# KiCad board Mainboard.kicad_pcb (continued)
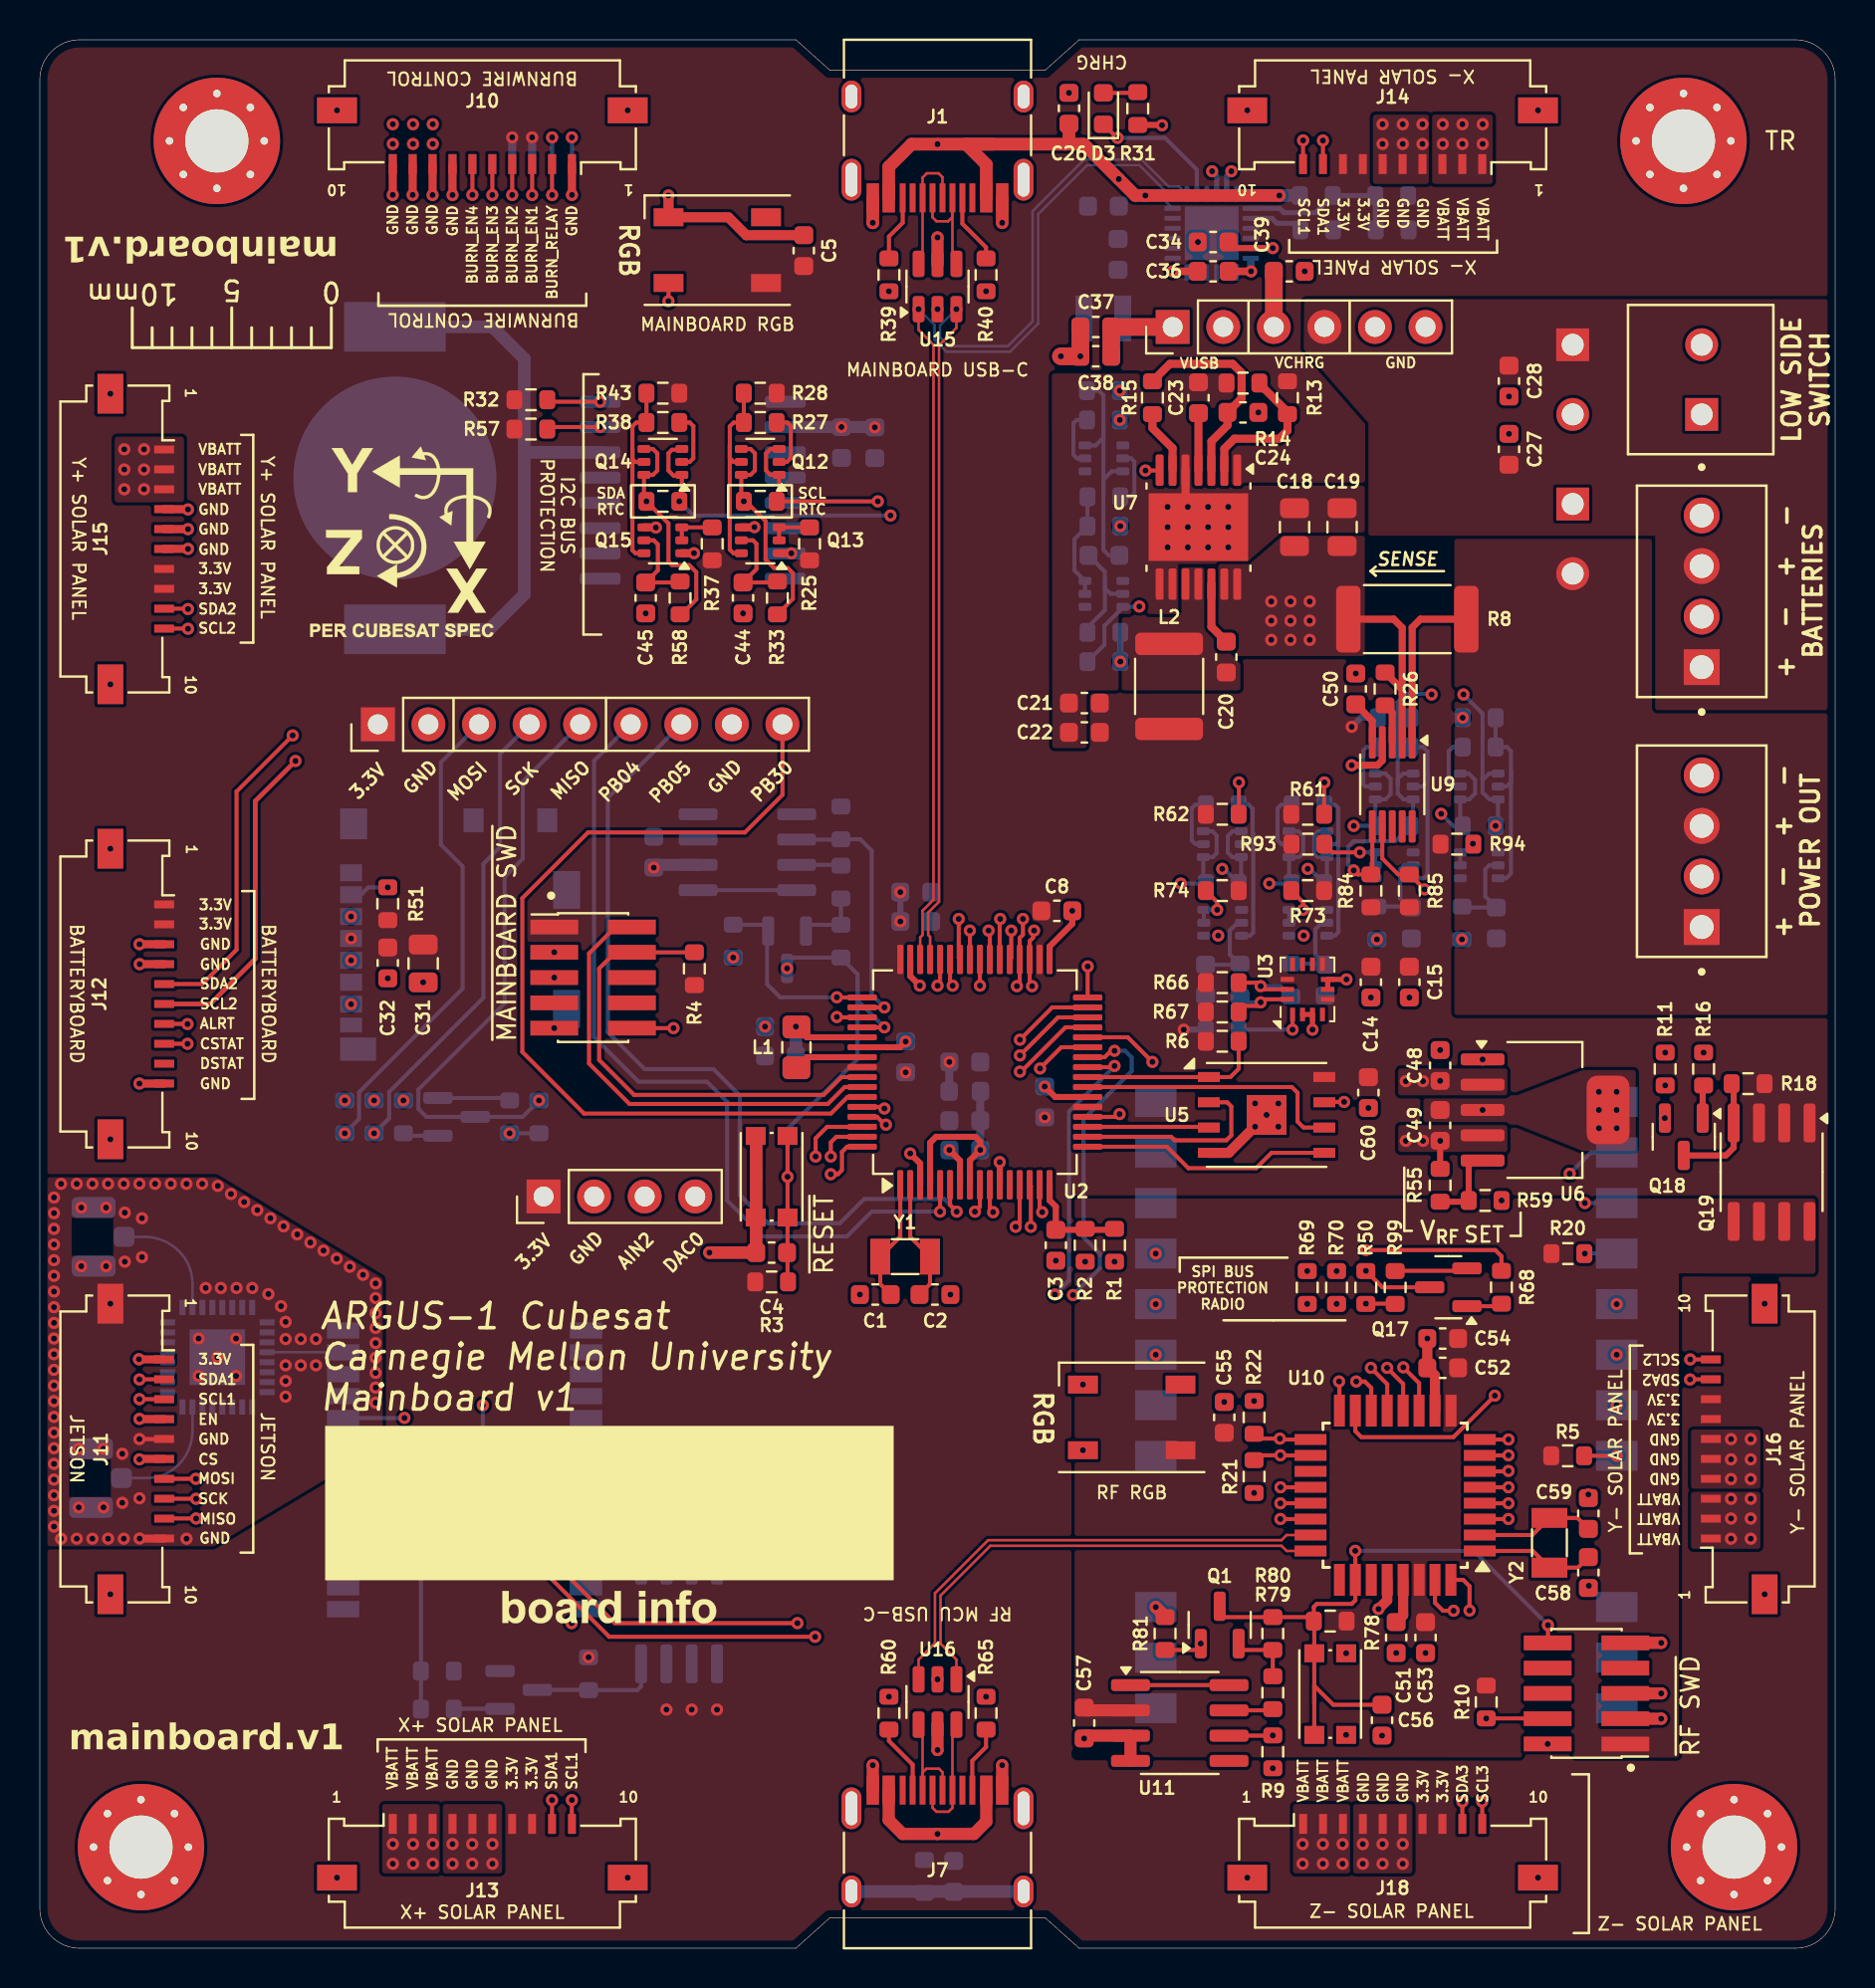
[diagram p0: board, top side]
## Library data of the parts (continued)
Q1 Q21 = -: Datasheet: https://www.infineon.com/dgdl/irlml2060pbf.pdf?fileId=5546d462533600a401535664b7fb25ee; ki_fp_filters: SOT?23*
Q2-Q4 Q6 Q8 Q10 Q12 Q14 = -: Datasheet: http://www.onsemi.com/pub_link/Collateral/MBT2222ADW1T1-D.PDF; Description: Dual NPN BJT - 2NPN; Flight: MBT2222ADW1T1G; Manufacturer_Name: ON Semiconductor; Manufacturer_Part_Number: MBT2222ADW1T1G; Proto: MBT2222ADW1T1G; ki_fp_filters: SOT?363*
Q5 Q7 Q9 Q11 Q13 Q15 = -: Datasheet: https://www.diodes.com/assets/Datasheets/BSS138DWQ.pdf; Description: Dual N-Channel MOSFET - 2NMOS; Manufacturer_Name: Diodes Incorporated
Q16 Q17 = -: Description: PNP BJT - PNP; ki_fp_filters: SOT?363*
Q18 Q22 = -: Datasheet: https://www.infineon.com/dgdl/irlml2060pbf.pdf?fileId=5546d462533600a401535664b7fb25ee; Description: 1.2A Id, 60V Vds, 480mOhm Rds, N-Channel HEXFET Power MOSFET, SOT-23; ki_fp_filters: SOT?23*
Q19 Q23 = -: Datasheet: https://www.onsemi.com/pdf/datasheet/nds8434-d.pdf; Description: P-Channel MOSFET; Flight: NDS8434; Manufacturer_Name: ON Semiconductor; Manufacturer_Part_Number: NDS8434; Proto: DMP2022LSS-13
R1-R22 R24-R43 R46 R47 R49 R51-R53 R55-R96 R99 = -: Description: Resistor, small symbol; ki_fp_filters: R_*
R23 R44 R45 R48 R50 R54 R97 R98 = -: Description: Resistor, small symbol; DNI: DNI; ki_fp_filters: R_*
SW1 SW2 = -: Datasheet: https://www.ckswitches.com/media/1479/kmr2.pdf; Description: Tactile Switch SPST-NO; Manufacturer_Name: C&K
U2 = -: Datasheet: https://ww1.microchip.com/downloads/en/DeviceDoc/SAM_D5x_E5x_Family_Data_Sheet_DS60001507G.pdf; Description: Microcontroller; Manufacturer_Name: Microchip Technology
U3 = -: Datasheet: https://ae-bst.resource.bosch.com/media/_tech/media/datasheets/BST-BMX160-DS000.pdf; Description: IMUs - Inertial Measurement Units 9-axis (9DOF) Absolute Orientation MEMS Sensor; Manufacturer_Name: Bosch Sensortec
U4 = -: Datasheet: http://datasheets.maximintegrated.com/en/ds/DS3231.pdf; Description: Extremely Accurate I2C-Integrated RTC/TCXO/Crystal SOIC-16; ki_fp_filters: SOIC*7.5x10.3mm*P1.27mm*
U5 = -: Manufacturer_Name: Everspin Technologies Inc.; Manufacturer_Part_Number: W25Q80DVSNIG; Proto: W25Q80DVSNIG
U6 U7 = -: Manufacturer_Name: Texas Instruments
U8 = -: Datasheet: http://www.ti.com/lit/ds/symlink/bq25883.pdf?HQS=TI-null-null-mousermode-df-pf-null-wwe&DCM=yes&ref_url=https%3A%2F%2Fwww.mouser.co.uk%2F; Description: Battery Charger - USB Power Delivery; Manufacturer_Name: Texas Instruments
U9 = -: Manufacturer_Name: Analog Devices Inc.; ki_fp_filters: RM_10
U10 = -: Datasheet: http://ww1.microchip.com/downloads/en/DeviceDoc/SAM_D21_DA1_Family_Data%20Sheet_DS40001882E.pdf; Description: SAM D21 Microchip SMART ARM-based Flash MCU, 48Mhz, 256K Flash, 32K SRAM, TQFP-32; ki_fp_filters: TQFP*7x7mm*P0.8mm*
U12 = -: Flight: RFM98PW; Manufacturer_Name: HopeRF; Manufacturer_Part_Number: RFM98PW; Proto: RFM98PW
U14 = -: Datasheet: https://www.minicircuits.com/pdfs/EP2W+.pdf; Description: RF Splitter DC-Pass; DNI: DNI; Manufacturer_Name: Mini Circuits
U15 U16 = -: Datasheet: https://www.st.com/resource/en/datasheet/usblc6-2.pdf; ki_fp_filters: SOT?23*
Y1 Y2 = -: Description: Two pin crystal, small symbol; Flight: ABS07-32.768KHZ-T; Manufacturer_Name: Abracon LLC; Manufacturer_Part_Number: SC-32S32.768kHz20PPM7pF; Proto: SC-32S32.768kHz20PPM7pF; ki_fp_filters: Crystal*

## Footprints (pads in the part's own frame, mm; a bottom-side part is the same pattern mirrored in y, then rotated)
BatteryHolder_LINX_BAT-HLD-012-SMT
  rect 2.5x5.1 smd: 1(-7.6,0) 1(7.6,0)
  round 10.2 smd: 2(0,0)
Bosch_LGA-14_3x2.5mm_P0.5mm
  rect 0.675x0.25 smd: 1(-1.262,0.75) 2(-1.262,0.25) 3(-1.262,-0.25) 4(-1.262,-0.75) 8(1.262,-0.75) 9(1.262,-0.25) 10(1.262,0.25) 11(1.262,0.75)
  rect 0.25x0.675 smd: 5(-0.5,-1.012) 6(0,-1.012) 7(0.5,-1.012) 12(0.5,1.012) 13(0,1.012) 14(-0.5,1.012)
C_0603_1608Metric
  rrect 0.9x0.95 smd: 1(-0.775,0) 2(0.775,0)
C_0805_2012Metric
  rrect 1x1.45 smd: 1(-0.95,0) 2(0.95,0)
Crystal_SMD_3215-2Pin_3.2x1.5mm
  rect 1x1.8 smd: 1(1.25,0) 2(-1.25,0)
DFN-8-1EP_6x5mm_P1.27mm_EP2x2mm
  rect 0.8x0.8 smd: (-0.5,0.5) (-0.5,-0.5) (0.5,0.5) (0.5,-0.5)
  rect 1.1x0.5 smd: 1(-2.9,1.905) 2(-2.9,0.635) 3(-2.9,-0.635) 4(-2.9,-1.905) 5(2.9,-1.905) 6(2.9,-0.635) 7(2.9,0.635) 8(2.9,1.905)
  rect 2x2 smd: 9(0,0)
EP2W+
  rect 0.762x0.305 smd: 1(-2.5,1.75) 2(-2.5,1.25) 3(-2.5,0.75) 4(-2.5,0.25) 5(-2.5,-0.25) 6(-2.5,-0.75) 7(-2.5,-1.25) 8(-2.5,-1.75) 17(2.5,-1.75) 18(2.5,-1.25) 19(2.5,-0.75) 20(2.5,-0.25) 21(2.5,0.25) 22(2.5,0.75) 23(2.5,1.25) 24(2.5,1.75)
  rect 0.305x0.762 smd: 9(-1.75,-2.5) 10(-1.25,-2.5) 11(-0.75,-2.5) 12(-0.25,-2.5) 13(0.25,-2.5) 14(0.75,-2.5) 15(1.25,-2.5) 16(1.75,-2.5) 25(1.75,2.5) 26(1.25,2.5) 27(0.75,2.5) 28(0.25,2.5) 29(-0.25,2.5) 30(-0.75,2.5) 31(-1.25,2.5) 32(-1.75,2.5)
  rect 2.794x2.794 smd: EP(0,0)
HTSSOP-14-1EP_4.4x5mm_P0.65mm_EP3.4x5mm_Mask3x3.1mm
  rrect 1.21x1.25 smd: (-0.75,0.775) (-0.75,-0.775) (0.75,0.775) (0.75,-0.775)
  rect 3x3.1 smd: (0,0)
  rrect 1.575x0.4 smd: 1(-2.862,1.95) 2(-2.862,1.3) 3(-2.862,0.65) 4(-2.862,0) 5(-2.862,-0.65) 6(-2.862,-1.3) 7(-2.862,-1.95) 8(2.862,-1.95) 9(2.862,-1.3) 10(2.862,-0.65) 11(2.862,0) 12(2.862,0.65) 13(2.862,1.3) 14(2.862,1.95)
  rect 3.4x5 smd: 15(0,0)
L_0603_1608Metric
  rrect 0.875x0.95 smd: 1(-0.787,0) 2(0.787,0)
L_0805_2012Metric_Pad1.15x1.40mm_HandSolder
  rrect 1.15x1.4 smd: 1(-1.025,0) 2(1.025,0)
L_1812_4532Metric
  rrect 1.125x3.4 smd: 1(-2.138,0) 2(2.138,0)
L_Wuerth_MAPI-2510
  rect 0.85x2.3 smd: 1(-0.975,0) 2(0.975,0)
LED_0603_1608Metric
  rrect 0.875x0.95 smd: 1(-0.787,0) 2(0.787,0)
LED_WS2812B_PLCC4_5.0x5.0mm_P3.2mm
  rect 1.5x0.9 smd: 1(-2.45,1.65) 2(-2.45,-1.65) 3(2.45,-1.65) 4(2.45,1.65)
microSD_HC_Molex_104031-0811
  rect 0.85x1.1 smd: 1(-3.105,5.45) 2(-2.005,5.45) 3(-0.905,5.45) 4(0.195,5.45) 5(1.295,5.45) 6(2.395,5.45) 7(3.495,5.45)
  rect 0.75x1.1 smd: 8(4.545,5.45)
  rect 1.2x1 smd: 9(-5.74,-0.7) 10(-5.74,-4.4)
  rect 1.55x1.35 smd: 11(-5.565,5.325)
  rect 1.9x1.35 smd: 11(-2.24,-5.375) 11(3.73,-5.375)
  rect 1.17x1.8 smd: 11(5.755,5.1)
Molex_200528-0100_1x10-1MP_P1.00mm_Horizontal
  rect 0.4x1 smd: 1(-4.5,0.91) 2(-3.5,0.91) 3(-2.5,0.91) 4(-1.5,0.91) 5(-0.5,0.91) 6(0.5,0.91) 7(1.5,0.91) 8(2.5,0.91) 9(3.5,0.91) 10(4.5,0.91)
  rect 2x1.3 smd: MP(-7.3,-1.79) MP(7.3,-1.79)
MountingHole2
  round 0.762 hole 0.381: 1(-2.381,0) 1(-1.684,1.684) 1(-1.684,-1.684) 1(0,2.381) 1(0,-2.381) 1(1.684,1.684) 1(1.684,-1.684) 1(2.381,0)
  round 6.35 hole 3.175: 1(0,0)
MSOP-10_3x3mm_P0.5mm
  rrect 1.625x0.35 smd: 1(-2.112,1) 2(-2.112,0.5) 3(-2.112,0) 4(-2.112,-0.5) 5(-2.112,-1) 6(2.112,-1) 7(2.112,-0.5) 8(2.112,0) 9(2.112,0.5) 10(2.112,1)
PHOENIX_1985807
  rect 1.65x1.65 hole 1.1: 1(2,3.6)
  round 1.65 hole 1.1: 2(5.5,3.6)
PinHeader_1x04_P2.54mm_Vertical
  rect 1.7x1.7 hole 1: 1(0,0)
  oval 1.7x1.7 hole 1: 2(0,-2.54) 3(0,-5.08) 4(0,-7.62)
PinHeader_1x06_P2.54mm_Vertical
  rect 1.7x1.7 hole 1: 1(0,0)
  oval 1.7x1.7 hole 1: 2(0,-2.54) 3(0,-5.08) 4(0,-7.62) 5(0,-10.16) 6(0,-12.7)
PinHeader_1x09_P2.54mm_Vertical
  rect 1.7x1.7 hole 1: 1(0,0)
  oval 1.7x1.7 hole 1: 2(0,-2.54) 3(0,-5.08) 4(0,-7.62) 5(0,-10.16) 6(0,-12.7) 7(0,-15.24) 8(0,-17.78) 9(0,-20.32)
PinHeader_2x05_P1.27mm_Vertical_SMD
  rect 2.4x0.74 smd: 1(-1.95,2.54) 2(1.95,2.54) 3(-1.95,1.27) 4(1.95,1.27) 5(-1.95,0) 6(1.95,0) 7(-1.95,-1.27) 8(1.95,-1.27) 9(-1.95,-2.54) 10(1.95,-2.54)
R_0603_1608Metric
  rrect 0.8x0.95 smd: 1(-0.825,0) 2(0.825,0)
R_2512_6332Metric
  rrect 1.225x3.35 smd: 1(-2.962,0) 2(2.962,0)
S1216_24PIN_PACKAGE
  rect 1.626x0.813 smd: 1(5.85,-7.62) 2(5.85,-6.52) 3(5.85,-5.42) 4(5.85,-4.32) 5(5.85,-3.22) 6(5.85,-2.12) 7(5.85,-1.02) 8(5.85,1.98) 9(5.85,3.08) 10(5.85,4.18) 11(5.85,5.28) 12(5.85,6.38) 13(-6.35,6.38) 14(-6.35,5.28) 15(-6.35,4.18) 16(-6.35,3.08) 17(-6.35,1.98) 18(-6.35,-1.02) 19(-6.35,-2.12) 20(-6.35,-3.22) 21(-6.35,-4.32) 22(-6.35,-5.42) 23(-6.35,-6.52) 24(-6.35,-7.62)
SOIC-8_3.9x4.9mm_P1.27mm
  rrect 1.95x0.6 smd: 1(-2.475,1.905) 2(-2.475,0.635) 3(-2.475,-0.635) 4(-2.475,-1.905) 5(2.475,-1.905) 6(2.475,-0.635) 7(2.475,0.635) 8(2.475,1.905)
SOIC-16W_7.5x10.3mm_P1.27mm
  rrect 2.05x0.6 smd: 1(-4.65,4.445) 2(-4.65,3.175) 3(-4.65,1.905) 4(-4.65,0.635) 5(-4.65,-0.635) 6(-4.65,-1.905) 7(-4.65,-3.175) 8(-4.65,-4.445) 9(4.65,-4.445) 10(4.65,-3.175) 11(4.65,-1.905) 12(4.65,-0.635) 13(4.65,0.635) 14(4.65,1.905) 15(4.65,3.175) 16(4.65,4.445)
SOT-23
  rrect 1.475x0.6 smd: 1(-0.938,0.95) 2(-0.938,-0.95) 3(0.938,0)
SOT-23-6
  rrect 1.325x0.6 smd: 1(-1.137,0.95) 2(-1.137,0) 3(-1.137,-0.95) 4(1.137,-0.95) 5(1.137,0) 6(1.137,0.95)
SOT-223-6
  rrect 2.2x0.6 smd: 1(-3.138,2.54) 2(-3.138,1.27) 3(-3.138,0) 4(-3.138,-1.27) 5(-3.138,-2.54)
  rrect 2.15x3.45 smd: 6(3.163,0)
SOT-363_SC-70-6
  rrect 0.65x0.4 smd: 1(-0.95,0.65) 2(-0.95,0) 3(-0.95,-0.65) 4(0.95,-0.65) 5(0.95,0) 6(0.95,0.65)
SW_Push_1P1T_NO_CK_KMR2
  rect 0.9x1 smd: 1(-2.05,0.8) 1(2.05,0.8) 2(-2.05,-0.8) 2(2.05,-0.8)
TE_282834-4
  rect 1.8x1.8 hole 1.2: 1(-3.81,0)
  round 1.8 hole 1.2: 2(-1.27,0) 3(1.27,0) 4(3.81,0)
Texas_RGE0024H_VQFN-24-1EP_4x4mm_P0.5mm_EP2.7x2.7mm
  rrect 1.09x1.09 smd: (-0.675,-0.675) (-0.675,0.675) (0.675,-0.675) (0.675,0.675)
  rrect 0.825x0.25 smd: 1(-1.962,1.25) 2(-1.962,0.75) 3(-1.962,0.25) 4(-1.962,-0.25) 5(-1.962,-0.75) 6(-1.962,-1.25) 13(1.962,-1.25) 14(1.962,-0.75) 15(1.962,-0.25) 16(1.962,0.25) 17(1.962,0.75) 18(1.962,1.25)
  rrect 0.25x0.825 smd: 7(-1.25,-1.962) 8(-0.75,-1.962) 9(-0.25,-1.962) 10(0.25,-1.962) 11(0.75,-1.962) 12(1.25,-1.962) 19(1.25,1.962) 20(0.75,1.962) 21(0.25,1.962) 22(-0.25,1.962) 23(-0.75,1.962) 24(-1.25,1.962)
  rect 2.7x2.7 smd: 25(0,0)
TQFP-32_7x7mm_P0.8mm
  rect 1.6x0.55 smd: 1(-4.25,2.8) 2(-4.25,2) 3(-4.25,1.2) 4(-4.25,0.4) 5(-4.25,-0.4) 6(-4.25,-1.2) 7(-4.25,-2) 8(-4.25,-2.8) 17(4.25,-2.8) 18(4.25,-2) 19(4.25,-1.2) 20(4.25,-0.4) 21(4.25,0.4) 22(4.25,1.2) 23(4.25,2) 24(4.25,2.8)
  rect 0.55x1.6 smd: 9(-2.8,-4.25) 10(-2,-4.25) 11(-1.2,-4.25) 12(-0.4,-4.25) 13(0.4,-4.25) 14(1.2,-4.25) 15(2,-4.25) 16(2.8,-4.25) 25(2.8,4.25) 26(2,4.25) 27(1.2,4.25) 28(0.4,4.25) 29(-0.4,4.25) 30(-1.2,4.25) 31(-2,4.25) 32(-2.8,4.25)
TQFP-64_10x10mm_P0.5mm
  rrect 1.475x0.3 smd: 1(-5.662,3.75) 2(-5.662,3.25) 3(-5.662,2.75) 4(-5.662,2.25) 5(-5.662,1.75) 6(-5.662,1.25) 7(-5.662,0.75) 8(-5.662,0.25) 9(-5.662,-0.25) 10(-5.662,-0.75) 11(-5.662,-1.25) 12(-5.662,-1.75) 13(-5.662,-2.25) 14(-5.662,-2.75) 15(-5.662,-3.25) 16(-5.662,-3.75) 33(5.662,-3.75) 34(5.662,-3.25) 35(5.662,-2.75) 36(5.662,-2.25) 37(5.662,-1.75) 38(5.662,-1.25) 39(5.662,-0.75) 40(5.662,-0.25) 41(5.662,0.25) 42(5.662,0.75) 43(5.662,1.25) 44(5.662,1.75) 45(5.662,2.25) 46(5.662,2.75) 47(5.662,3.25) 48(5.662,3.75)
  rrect 0.3x1.475 smd: 17(-3.75,-5.662) 18(-3.25,-5.662) 19(-2.75,-5.662) 20(-2.25,-5.662) 21(-1.75,-5.662) 22(-1.25,-5.662) 23(-0.75,-5.662) 24(-0.25,-5.662) 25(0.25,-5.662) 26(0.75,-5.662) 27(1.25,-5.662) 28(1.75,-5.662) 29(2.25,-5.662) 30(2.75,-5.662) 31(3.25,-5.662) 32(3.75,-5.662) 49(3.75,5.662) 50(3.25,5.662) 51(2.75,5.662) 52(2.25,5.662) 53(1.75,5.662) 54(1.25,5.662) 55(0.75,5.662) 56(0.25,5.662) 57(-0.25,5.662) 58(-0.75,5.662) 59(-1.25,5.662) 60(-1.75,5.662) 61(-2.25,5.662) 62(-2.75,5.662) 63(-3.25,5.662) 64(-3.75,5.662)
U.FL_Hirose_U.FL-R-SMT-1_Vertical
  rrect 1.05x1 smd: 1(-1.05,0)
  rrect 2.2x1.05 smd: 2(0.475,-1.475) 2(0.475,1.475)
USB_C_Receptacle_HRO_TYPE-C-31-M-12
  rect 0.6x1.45 smd: A1(-3.25,4.045) A4(-2.45,4.045) A9(2.45,4.045) A12(3.25,4.045) B1(3.25,4.045) B4(2.45,4.045) B9(-2.45,4.045) B12(-3.25,4.045)
  rect 0.3x1.45 smd: A5(-1.25,4.045) A6(-0.25,4.045) A7(0.25,4.045) A8(1.25,4.045) B5(1.75,4.045) B6(0.75,4.045) B7(-0.75,4.045) B8(-1.75,4.045)
  oval 1x2.1 hole 0.6x1.7: S1(-4.32,3.13) S1(4.32,3.13)
  oval 1x1.6 hole 0.6x1.2: S1(-4.32,-1.05) S1(4.32,-1.05)
XCVR_E22-900M30S
  rect 2.08x1.51 smd: 1(11.575,-13.82) 2(11.575,-11.28) 3(11.575,-8.74) 4(11.575,-1.14) 5(11.575,1.4) 6(11.575,3.94) 7(11.575,6.48) 8(11.575,9.02) 9(11.575,11.56) 10(11.575,14.1) 11(11.575,16.64) 12(-11.575,16.64) 13(-11.575,14.1) 14(-11.575,11.56) 15(-11.575,9.02) 16(-11.575,6.48) 17(-11.575,3.94) 18(-11.575,1.4) 19(-11.575,-1.14) 20(-11.575,-8.74) 21(-11.575,-11.28) 22(-11.575,-13.82)

## Nets
3.3V: C5.1 C6.1 C7.1 C8.1 C9.1 C10.1 C13.1 C14.1 C15.2 C16.1 C17.1 C21.2 C22.2 C29.1 C31.1 C32.1 C60.1 D1.1 FB1.1 J8.4 J9.1 J11.1 J12.1 J12.2 J13.7 J13.8 J14.7 J14.8 J15.7 J15.8 J16.7 J16.8 J17.7 J17.8 J18.7 J18.8 J19.1 J20.1 L2.2 Q19.1 Q19.2 Q19.3 Q23.1 Q23.2 Q23.3 R3.1 R4.1 R6.2 R13.2 R18.1 R19.1 R25.1 R28.1 R32.1 R37.1 R41.1 R43.1 R51.2 R57.1 R61.1 R62.1 R66.1 R67.1 R73.1 R74.1 R82.1 R83.1 R84.1 R85.1 R93.1 R94.1 U1.2 U2.21 U2.34 U2.48 U2.56 U3.5 U3.8 U3.12 U4.2 U5.8 U7.1
3.3VA: C46.1 C47.1 FB1.2 U2.4 U2.8
/Power/3V3_EN: Q2.6 R29.2 U7.7
GND: BT1.2 C1.2 C2.2 C3.2 C4.1 C5.2 C6.2 C7.2 C8.2 C9.2 C10.2 C11.1 C12.2 C13.2 C14.2 C15.1 C16.2 C17.2 C18.2 C19.2 C21.1 C22.1 C23.1 C24.2 C29.2 C30.1 C31.2 C32.2 C40.2 C41.2 C42.2 C43.2 C44.2 C45.2 C46.2 C47.2 C48.1 C49.1 C50.1 C51.2 C52.2 C53.2 C54.2 C55.2 C56.1 C57.2 C58.2 C59.2 C60.2 D1.3 D2.3 H1.1 H2.1 H3.1 H4.1 J3.2 J3.4 J4.2 J7.A1 J7.A12 J7.B1 J7.B12 J8.6 J8.11 J9.3 J9.5 J9.9 J10.1 J10.7 J10.8 J10.9 J10.10 J10.MP J11.5 J11.10 J11.MP J12.3 J12.4 J12.10 J12.MP J13.4 J13.5 J13.6 J13.MP J14.4 J14.5 J14.6 J14.MP J15.4 J15.5 J15.6 J15.MP J16.4 J16.5 J16.6 J16.MP J17.4 J17.5 J17.6 J17.MP J18.4 J18.5 J18.6 J18.MP J19.2 J19.8 J20.2 J21.5 J22.2 J23.2 J24.3 J24.5 J24.9 Q2.1 Q2.4 Q3.1 Q3.4 Q5.1 Q5.4 Q7.1 Q7.4 Q9.1 Q9.4 Q11.1 Q11.4 Q13.1 Q13.4 Q15.1 Q15.4 Q18.2 Q22.2 R2.1 R7.2 R9.2 R11.2 R12.2 R14.1 R21.2 R22.2 R56.1 R59.2 R60.1 R65.1 R81.2 R90.2 SW1.2 SW2.2 U1.3 U1.4 U2.7 U2.22 U2.33 U2.47 U2.54 U3.2 U3.3 U3.6 U3.7 U4.5 U4.6 U4.7 U4.8 U4.9 U4.10 U4.11 U4.12 U4.13 U5.4 U5.9 U6.3 U6.6 U7.5 U7.8 U7.9 U7.15 U9.4 U10.10 U10.28 U11.3 U11.4 U12.1 U12.2 U12.3 U12.4 U12.5 U12.11 U12.12 U12.20 U12.22 U13.10 U13.12 U13.13 U13.24 U14.1 U14.2 U14.3 U14.5 U14.6 U14.7 U14.8 U14.9 U14.10 U14.11 U14.12 U14.13 U14.14 U14.16 U14.17 U14.18 U14.19 U14.20 U14.21 U14.22 U14.23 U14.24 U14.25 U14.27 U14.28 U14.29 U14.30 U14.31 U14.32 U14.EP U16.2
GNDREF: C26.2 C27.2 C28.2 C33.1 C34.2 C35.1 C37.1 C38.1 C39.1 J1.A1 J1.A12 J1.B1 J1.B12 J1.S1 J2.2 J2.4 J4.1 J21.6 R35.1 R36.1 R39.1 R40.1 R46.1 U8.19 U8.20 U8.25 U15.2
VBATT: J3.1 J3.3 J6.2 J13.1 J13.2 J13.3 J14.1 J14.2 J14.3 J15.1 J15.2 J15.3 J16.1 J16.2 J16.3 J17.1 J17.2 J17.3 J18.1 J18.2 J18.3 J21.2 R1.1 R8.2 U9.1
VBUS1: C26.1 C33.2 J1.A4 J1.A9 J1.B4 J1.B9 R34.1 U8.23 U15.5
VBUS2: J7.A4 J7.A9 J7.B4 J7.B9 U16.5
VBUS_RESET: R52.2 U2.32
/Avionics/NEOPIXEL: D1.4 U2.40
/Avionics/XTAL1: C1.1 U2.1 Y1.1
/Avionics/XTAL2: C2.1 U2.2 Y1.2
/Power/REGN: C34.1 R31.2 U8.11
/RF and GPS/RF_IN: U13.11 U14.4
/RF and GPS/SAMD21_NEOPIXEL: D2.4 U10.20
AIN2: J20.3 U2.11
AIN3: U2.12
BURN_EN1: J10.3 U2.38
BURN_EN2: J10.4 U2.39
BURN_EN3: J10.5 U2.41
BURN_EN4: J10.6 U2.42
BURN_RELAY_A: J10.2 U2.37
CSTAT: J12.8 U2.61
DAC0: J20.4 U2.3
DBus1+: J1.A6 J1.B6 U15.6
DBus1-: J1.A7 J1.B7 U15.4
DBus2+: J7.A6 J7.B6 U16.6
DBus2-: J7.A7 J7.B7 U16.4
DSTAT: J12.9
FLASH_CS: R6.1 U2.24 U5.1
FLASH_IO2: U2.19 U5.3
FLASH_IO3: U2.20 U5.7
FLASH_MISO: U2.18 U5.2
FLASH_MOSI: U2.17 U5.5
FLASH_SCK: U2.23 U5.6
FUEL_ALRT: J12.7 U2.60
GPS_EN: R12.1 R17.1 U2.62
GPS_RX: R88.1 U2.64
GPS_TX: R91.1 U2.63
GPS_VDD: Q23.5 Q23.6 Q23.7 Q23.8 R24.2 U13.22 U13.23
IMU_SCL: Q4.4 Q4.6 R66.2 R75.1 R97.1 U3.13
IMU_SDA: Q6.4 Q6.6 R67.2 R76.1 R98.1 U3.14
JETSON_CS: J11.6 U2.10
JETSON_EN: J11.4 U2.9
JETSON_MISO: J11.9 U2.15
JETSON_MOSI: J11.7 U2.13
JETSON_SCK: J11.8 U2.14
MISO: J19.5 Q16.3 Q17.3 R50.2 R54.2 U2.31
MOSI: J19.3 R64.2 R70.1 U2.29
PB04: J19.6 U2.5
PB05: J19.7 U2.6
PB30: J19.9 U2.59
PWR_SCL: Q8.4 Q8.6 R23.1 R84.2 R95.1 U8.5 U9.6
PWR_SDA: Q10.4 Q10.6 R44.1 R85.2 R96.1 U8.4 U9.7
RF_3.3V: C52.1 C53.1 C54.1 C55.1 C57.1 D2.1 J24.1 Q19.5 Q19.6 Q19.7 Q19.8 R5.1 R10.1 R20.1 R78.1 U10.9 U10.30 U11.2
RF_BUSY: U10.4 U12.14
RF_CS: R5.2 U10.5 U12.19
RF_IO1: U10.15 U12.13
RF_IO2: U10.16 U12.8
RF_MISO: U10.6 U12.16
RF_MOSI: U10.7 U12.17
RF_RST: R20.2 U10.3 U12.15
RF_RXEN: R21.1 U10.18 U12.6
RF_SCK: U10.8 U12.18
RF_TXEN: R22.1 U10.17 U12.7
RF_VDD: C49.2 R55.1 U6.4 U12.9 U12.10
RTC_SCL: Q12.4 Q12.6 R32.2 R33.1 R45.1 U4.16
RTC_SDA: Q14.4 Q14.6 R48.1 R57.2 R58.1 U4.15
SAMD21_SWC: J24.4 R10.2 U10.31
SAMD21_SWD: J24.2 U10.32
SAMD21_WDT_EN: Q1.1 R81.1 U10.21
SAMD21_WDT_WDI: R9.1 U10.22 U11.6
SCK: J19.4 R63.2 R69.2 U2.30
SCL1: J11.3 J13.10 J14.10 Q4.1 Q4.3 Q8.1 Q8.3 R23.2 R97.2 U2.26
SCL2: J12.6 J15.10 J16.10 U2.44
SCL3: J17.10 J18.10 Q12.1 Q12.3 R45.2 U2.36
SD_CS: J8.2 R51.1 R92.2 U2.51
SD_MISO: J8.7 R53.2 R54.1
SD_MOSI: J8.3 R64.1
SD_SCK: J8.5 R63.1
SDA1: J11.2 J13.9 J14.9 Q6.1 Q6.3 Q10.1 Q10.3 R44.2 R98.2 U2.25
SDA2: J12.5 J15.9 J16.9 U2.43
SDA3: J17.9 J18.9 Q14.1 Q14.3 R48.2 U2.35
STAT: D3.1 U8.2
SWCLK: J9.4 R4.2 U2.57
SWDIO: J9.2 U2.58
TS: R34.2 R35.2 R46.2 U8.7
UHF_CS: R68.2 U2.27 U10.11
UHF_EN: R11.1 R16.1 U2.28 U6.1
UHF_MISO: R50.1 R99.2 U10.12
UHF_MOSI: R70.2 U10.13
UHF_SCK: R69.1 U10.14
USB_D1+: U2.46 U8.24 U15.1
USB_D1-: U2.45 U8.1 U15.3
USB_D2+: U10.24 U16.1
USB_D2-: U10.23 U16.3
VCHRG: C27.1 C28.1 J2.1 J2.3 J5.1 J21.4
VSYS: C18.1 C19.1 C48.2 R8.1 R26.1 R29.1 R30.1 R47.1 R49.1 U6.2 U7.13 U7.14 U9.2
WDT_EN: Q21.1 R90.1 U2.49
WDT_WDI: R7.1 U1.6 U2.50
~{RESET}: C4.2 J9.10 Q21.3 R3.2 R89.1 SW1.1 U2.52
~{SAMD21_RST}: C56.2 J24.10 Q1.3 R78.2 R80.1 SW2.1 U10.26
Net-(BT1-+): BT1.1 U4.14
Net-(D3-A): D3.2 R31.1
Net-(J1-CC1): J1.A5 R40.2
Net-(J1-CC2): J1.B5 R39.2
Net-(J5-Pin_2): J5.2 J6.1
Net-(J7-CC1): J7.A5 R60.2
Net-(J7-CC2): J7.B5 R65.2
Net-(J7-SHIELD): C30.2 J7.S1 R56.2
Net-(J21-Pin_1): C37.2 C38.2 J21.1 U8.15 U8.16
Net-(J21-Pin_3): C39.2 J21.3 U8.13 U8.14
Net-(J22-In): J22.1 U14.15
Net-(J23-In): J23.1 U14.26
Net-(Q1-S): Q1.2 R79.1 R80.2
Net-(Q2A-B1): Q2.2 Q2.3 R30.2 R77.2
Net-(Q2B-B2): C25.2 Q2.5 R47.2
Net-(Q3A-B1): Q3.2 R77.1
Net-(Q3A-C1): C25.1 Q3.3 Q3.6 R49.2
Net-(Q3B-B2): Q3.5 R52.1
Net-(Q4A-B1): Q4.2 R71.1
Net-(Q4B-B2): Q4.5 Q5.6 R61.2 R71.2
Net-(Q5A-G2): Q5.2 Q5.3 R73.2
Net-(Q5B-G1): C40.1 Q5.5 R75.2
Net-(Q6A-B1): Q6.2 R72.1
Net-(Q6B-B2): Q6.5 Q7.6 R62.2 R72.2
Net-(Q7A-G2): Q7.2 Q7.3 R74.2
Net-(Q7B-G1): C41.1 Q7.5 R76.2
Net-(Q8A-B1): Q8.2 R86.1
Net-(Q8B-B2): Q8.5 Q9.6 R82.2 R86.2
Net-(Q9A-G2): Q9.2 Q9.3 R93.2
Net-(Q9B-G1): C42.1 Q9.5 R95.2
Net-(Q10A-B1): Q10.2 R87.1
Net-(Q10B-B2): Q10.5 Q11.6 R83.2 R87.2
Net-(Q11A-G2): Q11.2 Q11.3 R94.2
Net-(Q11B-G1): C43.1 Q11.5 R96.2
Net-(Q12A-B1): Q12.2 R27.1
Net-(Q12B-B2): Q12.5 Q13.6 R27.2 R28.2
Net-(Q13A-G2): Q13.2 Q13.3 R25.2
Net-(Q13B-G1): C44.1 Q13.5 R33.2
Net-(Q14A-B1): Q14.2 R38.1
Net-(Q14B-B2): Q14.5 Q15.6 R38.2 R43.2
Net-(Q15A-G2): Q15.2 Q15.3 R37.2
Net-(Q15B-G1): C45.1 Q15.5 R58.2
Net-(Q16-B): Q16.1 R92.1
Net-(Q16-E): Q16.2 R53.1
Net-(Q17-B): Q17.1 R68.1
Net-(Q17-E): Q17.2 R99.1
Net-(Q18-D): Q18.3 Q19.4 R18.2
Net-(Q18-G): Q18.1 R16.2
Net-(Q21-S): Q21.2 R42.1 R89.2
Net-(Q22-D): Q22.3 Q23.4 R19.2
Net-(Q22-G): Q22.1 R17.2
Net-(U1-~{MR}): U1.1 U1.8
Net-(U1-~{RESET}): R42.2 U1.7
Net-(U2-PA07): C3.1 R1.2 R2.2 U2.16
Net-(U2-VDDCORE): C11.2 C12.1 L1.1 U2.53
Net-(U2-VSW): L1.2 U2.55
Net-(U3-SDO): R41.2 U3.1
Net-(U6-SENSE/ADJ): R55.2 R59.1 U6.5
Net-(U7-PG): R15.2 U7.6
Net-(U7-SS): C23.2 U7.4
Net-(U7-SW1): C20.1 L2.1 U7.10 U7.11
Net-(U7-VBST): C20.2 U7.12
Net-(U7-VFB): R13.1 R14.2 U7.2
Net-(U7-VREG5): C24.1 R15.1 U7.3
Net-(U8-BTST): C36.2 U8.12
Net-(U8-ILIM): R36.2 U8.8
Net-(U8-PMID_1): C35.2 L3.1 U8.21 U8.22
Net-(U8-SW_1): C36.1 L3.2 U8.17 U8.18
Net-(U9-ON): R26.2 U9.3
Net-(U9-TIMER): C50.2 U9.5
Net-(U10-PA00): C58.1 U10.1 Y2.1
Net-(U10-PA01): C59.1 U10.2 Y2.2
Net-(U10-VDDCORE): C51.1 U10.29
Net-(U11-~{MR}): U11.1 U11.8
Net-(U11-~{RESET}): R79.2 U11.7
Net-(U13-RSTN): R24.1 U13.8
Net-(U13-RXD): R91.2 U13.21
Net-(U13-TXD): R88.2 U13.20

Pads without a net: D1 2; D2 2; J1 A8 B8; J7 A8 B8; J8 1 8 9 10; J9 6 7 8; J24 6 7 8; U1 5; U3 4 9 10 11; U4 1 3 4; U8 3 6 9 10; U9 8 9 10; U10 19 25 27; U11 5; U12 21; U13 1 2 3 4 5 6 7 9 14 15 16 17 18 19

## Via types
v1: diameter 0.61, hole 0.305, Top to Bottom, 517 vias

## Routing (per net, layer and track width the routed paths; a pad name or vN(x,y) marks a point on that pad's centre or on a via; arc(x,y) is an arc through that point)
3.3V: length 31.3
  Top w0.305: v1(43.22,51.59) 43.21,51.58
  Top w0.406: v1(4.98,29.59) 4.99,29.58 6.23,29.58
  Route2 w0.635: v1(4.98,29.59) 5.26,29.59 6.99,27.86 10.44,27.86 15.95,22.35 v1(17.27,22.35)
  Bottom w0.203: v1(23.72,90.98) 23.73,90.98
  Bottom w0.305: R41.1 v1(57.45,46.15) ; v1(65.89,61.37) 66.34,61.82 R82.1 ; v1(43.22,51.59) 43.22,53.04
  Bottom w0.406: 23.73,90.98 J17.7 ; v1(24.73,90.98) J17.8 ; 45.67,44.51 FB1.1
  Bottom w0.61: U4.2 v1(40.26,76.43) 41.92,76.43 ; 30.98,54.43 U1.2
  vias: v1(15.63,50.73) v1(27.56,14.62) v1(30.84,54.29) v1(31.47,11.99) v1(32.74,11.99) v1(34.01,11.99) v1(41.94,76.42) v1(43.22,53.06) v1(43.48,44.01) v1(45.68,44.53) v1(50.47,41.74) v1(71.46,61.82)
3.3VA: length 10.2
  Top w0.305: U2.8 46.71,39.59 v1(47.23,40.11) 47.23,40.53 46.99,40.77 45.01,40.77 44.71,40.47 U2.4
  Bottom w0.406: v1(47.23,40.11) C46.1 47.23,43.04
/Power/3V3_EN: length 11.9
  Top w0.203: v1(55.53,74.24) 56.22,74.24
  Route2 w0.203: v1(55.53,74.24) 55.53,67.72 v1(55.22,67.41)
  Bottom w0.203: R29.2 53.47,65.49 53.47,66.44 54.39,67.36 ; v1(55.22,67.41) 55.2,67.4 Q2.6
GND: length 75.3
  Top w0.203: 20.73,88.09 v1(20.73,88.09) ; 35.85,71.39 35.86,71.4 v1(35.89,71.4) ; v1(30.94,71.38) 30.93,71.39 ; v1(5,25.58) 6.24,25.58 ; 37.74,70.09 v1(37.74,70.09)
  Top w0.254: v1(63.92,46.15) U3.3 U3.2 ; U3.6 U3.7 v1(65.62,48.68)
  Top w0.305: v1(45.68,40.11) 46.21,39.57 U2.7 ; v1(50.47,43.29) 51,42.77 U2.22 ; v1(51.85,52.12) 51.85,51.47 50.71,50.33 U2.33 ; U2.47 43.71,48.84 v1(44.2,48.36) ; v1(43.48,45.56) 43.2,45.27 U2.54
  Top w0.356: v1(65.89,59.44) 67.18,59.44 67.42,59.68 U9.4
  Top w0.406: v1(7.44,72.29) 7.43,72.3 J15.4 ; v1(5.02,49.44) J12.4 ; Q13.1 37.74,70.09 ; v1(5.01,20.58) J11.10 ; 57.54,72.05 U7.5 ; v1(17.73,88.09) J10.10 ; Q13.4 35.85,71.39 ; v1(5.01,50.44) J12.3 ; Q15.1 v1(32.85,70.09) ; J10.7 20.73,88.09 ; v1(5,43.44) J12.10 ; J15.5 7.44,71.3 v1(7.44,71.3) ; v1(18.73,88.09) J10.9 ; 30.93,71.39 Q15.4 ; v1(7.44,70.31) 6.25,70.31 J15.6 ; v1(26.73,88.09) J10.1 ; v1(19.73,88.09) J10.8
  Top w0.508: C5.2 35.48,86.07 34.58,86.97 D1.3 31.57,88.06 v1(31.57,88.06) ; v1(67.23,17.04) 67.67,17.48 U10.28 ; v1(69.68,30.63) C52.2 70.07,28.77 U10.10 ; U5.4 59.71,39.96 61.02,41.27
  Top w0.61: J7.A1 41.84,9.19 v1(41.83,9.19) ; J24.9 v1(81.43,15.34) ; 54.78,9.42 U11.3 52.59,10.68 ; v1(81.43,12.8) J24.5 ; v1(48.34,9.19) J7.A12 ; J24.3 v1(81.43,11.53) ; 56.52,16.67 v1(56.05,17.14)
  Top w0.635: 35.98,40.79 C4.1 v1(33.63,34.95)
  vias: v1(0.71,37.72) v1(0.71,36.93) v1(0.71,36.14) v1(0.71,35.36) v1(0.71,34.57) v1(0.71,33.78) v1(0.71,32.99) v1(0.71,32.21) v1(0.71,31.42) v1(0.71,30.63) v1(0.71,29.84) v1(0.71,29.06) v1(0.71,28.27) v1(0.71,27.48) v1(0.71,26.7) v1(0.71,25.91) v1(0.71,25.12) v1(0.71,24.33) v1(0.71,23.55) v1(0.71,22.76) v1(0.71,21.97) v1(0.71,21.18) v1(1.07,38.4) v1(1.07,20.57) v1(1.85,38.4) v1(1.85,20.57) v1(1.96,25.1) v1(1.96,22.15) v1(2.08,37.21) v1(2.08,34.26) v1(2.64,38.4) v1(2.64,20.57) v1(3.2,25.1) v1(3.2,22.15) v1(3.33,37.21) v1(3.33,34.26) v1(3.43,38.4) v1(3.43,20.57) v1(3.54,78.1) v1(3.54,63.5) v1(3.54,55.24) v1(3.54,40.64) v1(3.54,32.38) v1(3.54,17.78) v1(4.14,24.84) v1(4.14,22.38) v1(4.22,38.4) v1(4.22,20.57) v1(4.27,36.96) v1(4.27,34.49) v1(5,38.4) v1(5,22.61) v1(5.13,36.68) v1(5.13,34.72) v1(5.79,38.4) v1(6.58,38.4) v1(7.37,38.4) v1(7.37,20.57) v1(7.98,30.63) v1(7.98,28.75) v1(8.15,38.4) v1(8.33,33.17) v1(8.94,38.3) v1(8.92,29.69) v1(9.09,33.17) v1(9.6,37.9) v1(9.88,33.17) v1(9.86,30.63) v1(9.86,28.75) v1(10.26,37.49) v1(10.67,33.17) v1(10.92,37.08) v1(11.48,32.87) v1(11.58,36.68) v1(12.12,32.26) v1(12.24,36.27) v1(12.34,31.47) v1(12.34,30.61) v1(12.34,29.29) v1(12.34,28.5) v1(12.34,27.71) v1(12.93,35.86) v1(13.11,30.61) v1(13.11,29.29) v1(13.59,35.46) v1(13.87,30.61) v1(13.87,29.29) v1(14.25,35.05) v1(14.93,92.34) v1(14.91,34.65) v1(14.93,3.54) v1(15.57,34.24) v1(15.8,24.84) v1(16.23,33.83) v1(16.46,25.25) v1(16.87,33.4) v1(16.87,32.66) v1(16.87,31.9) v1(16.87,31.17) v1(16.87,30.4) v1(16.87,29.67) v1(16.87,28.91) v1(16.87,28.17) v1(16.87,27.41) v1(16.87,25.91) v1(17.48,48.73) v1(19.25,48.53) v1(20.73,5.23) v1(20.73,4.24) v1(21.72,5.23) v1(21.72,4.24) v1(22.73,5.23) v1(22.73,4.24) v1(25.84,50.04) v1(25.84,48.77) v1(25.84,46.23) v1(25.84,24.41) v1(25.84,23.14) v1(25.84,20.6) v1(26.71,16.33) v1(29.53,92.34) v1(29.53,3.54) v1(30.43,67.07) v1(34.82,49.77) v1(35.32,67.07) v1(36.42,46.3) v1(41.19,32.84) v1(42.65,12.64) v1(45.09,13.51) v1(45.73,32.84) v1(47.52,12.64) v1(51.03,34.54) v1(52.39,28.32) v1(52.45,10.54) v1(52.5,34.49) v1(56.64,72.42) v1(56.64,71.4) v1(56.64,70.38) v1(57.66,72.42) v1(57.66,71.4) v1(57.66,70.38) v1(58.67,72.42) v1(58.67,71.4) v1(58.67,70.38) v1(59.18,50.88) v1(59.49,27.44) v1(59.69,72.42) v1(59.69,71.4) v1(59.69,70.38) v1(60.65,92.34) v1(60.65,3.54) v1(61.04,42.44) v1(61.04,41.27) v1(60.99,27.49) v1(60.99,22.87) v1(61.2,77.17) v1(61.61,41.87) v1(61.93,9.04) v1(62.2,42.44) v1(62.2,41.27) v1(63.47,50.88) v1(65.61,14.82) v1(65.61,10.72) v1(66.09,64.05) v1(66.45,5.23) v1(66.45,4.24) v1(66.73,42.21) v1(66.85,47.76) v1(67.44,91.64) v1(67.44,90.65) v1(67.41,10.68) v1(67.44,5.23) v1(67.44,4.24) v1(68.12,14.83) v1(68.45,91.64) v1(68.45,90.65) v1(68.45,5.23) v1(68.45,4.24) v1(68.78,47.76) v1(69.44,91.64) v1(69.44,90.65) v1(69.6,14.83) v1(70.33,45.13) v1(72.46,42.12) v1(73.41,37.57) v1(75.25,92.34) v1(75.25,3.54) v1(77.77,22.8) v1(77.8,18.21) v1(78.3,43.03) v1(78.3,42.12) v1(78.3,41.2) v1(79.19,43.03) v1(79.19,42.12) v1(79.2,41.2) v1(81.63,43.35) v1(81.62,41.71) v1(84.94,25.58) v1(84.94,24.56) v1(84.94,23.57) v1(85.93,25.58) v1(85.93,24.56) v1(85.93,23.57) v1(86.63,32.38) v1(86.63,17.78)
GNDREF: length 5
  Top w0.635: J1.A12 41.84,86.69 v1(41.83,86.69) ; v1(48.34,86.69) J1.A1
  Top w0.889: C37.1 v1(52.26,79.98) v1(51.28,79.98)
  vias: v1(42.65,83.25) v1(45.09,82.35) v1(47.52,83.25) v1(51.69,93.22) v1(58.17,85.72) v1(63.53,84.25) v1(73.79,77.96) v1(73.79,76.09)
VBATT: length 8.7
  Top w0.356: U9.1 68.92,66.36 69.34,66.78 R8.2
  vias: v1(4.24,75.31) v1(4.24,74.29) v1(4.24,73.3) v1(5.23,75.31) v1(5.23,74.29) v1(5.23,73.3) v1(17.73,91.64) v1(17.73,90.65) v1(17.73,5.23) v1(17.73,4.24) v1(18.75,91.64) v1(18.75,90.65) v1(18.75,5.23) v1(18.75,4.24) v1(19.74,91.64) v1(19.74,90.65) v1(19.74,5.23) v1(19.74,4.24) v1(53.97,34.49) v1(63.42,5.23) v1(63.42,4.24) v1(64.44,5.23) v1(64.44,4.24) v1(65.43,5.23) v1(65.43,4.24) v1(70.46,91.64) v1(70.46,90.65) v1(71.45,91.64) v1(71.45,90.65) v1(72.47,91.64) v1(72.47,90.65) v1(84.94,22.58) v1(84.94,21.59) v1(84.94,20.57) v1(85.93,22.58) v1(85.93,21.59) v1(85.93,20.57)
VBUS1: length 35.4
  Top w0.61: v1(45.09,85.95) U15.5
  Top w0.635: 51.49,90.64 46.52,90.64 47.53,89.62 J1.A4 ; 51.49,90.64 51.69,90.84 C26.1 ; 51.49,90.64 52.44,90.64 v1(54.19,88.89) 55.02,88.06 v1(55.52,88.06) v1(62.26,88.06) ; 47.88,90.64 v1(45.09,90.64) 43.78,90.64 42.64,89.5 J1.A9
  Route2 w0.61: v1(45.09,90.64) v1(45.09,85.95)
  Bottom w0.635: v1(62.26,88.06) R34.1
VBUS2: length 14
  Top w0.61: J7.A9 47.53,6.36 46.91,5.74 v1(45.09,5.74) 43.33,5.74 42.64,6.44 J7.A4 ; U16.5 v1(45.09,9.96)
  Route2 w0.61: v1(45.09,9.96) v1(45.09,5.74)
VBUS_RESET: length 29.7
  Top w0.203: U2.32 52.63,49.33 v1(52.63,49.33)
  Route2 w0.203: v1(52.63,49.33) 52.63,75.17 v1(54.24,76.78)
/Avionics/NEOPIXEL: length 43.5
  Top w0.203: D1.4 31.57,82.76 v1(31.57,82.75) ; U2.40 47.21,48.37 v1(47.22,48.36)
  Route2 w0.203: v1(31.57,82.75) 32.18,82.75 36.91,78.03 36.91,74.5 38.61,72.8 38.61,58.88 45.42,52.07 45.42,51.16 47.22,49.35 v1(47.22,48.36)
/Avionics/XTAL1: length 6.1
  Top w0.203: C1.1 42.21,33.37 Y1.1 43.21,35.75 U2.1
/Avionics/XTAL2: length 6.1
  Top w0.203: C2.1 44.71,33.37 Y1.2 43.71,35.74 U2.2
/Power/REGN: length 15.6
  Top w0.305: R31.2 56.35,91.61 v1(56.36,91.59) ; C34.1 60.01,85.42 v1(61.93,85.42)
  Route2 w0.305: v1(56.36,91.59) 56.36,87.81 57.1,87.07 61.24,87.07 61.93,86.39 v1(61.93,85.42)
  Bottom w0.305: v1(61.93,85.42) 61.92,85.41 U8.11
/RF and GPS/RF_IN: length 3.8
  Bottom w0.13: U14.4 15.23,29.94
/RF and GPS/SAMD21_NEOPIXEL: length 12.2
  Top w0.203: v1(62.31,23.16) U10.20
  Route2 w0.203: v1(52.39,25.02) 53.74,23.67 61.8,23.67 v1(62.31,23.16)
AIN2: length 21
  Top w0.305: v1(48.21,39.5) 48.21,39.49 U2.11
  Route2 w0.305: J20.3 32.99,40.39 37.34,40.39 38,41.05 40.87,41.05 41.33,40.59 44.02,40.59 45.11,39.5 v1(48.21,39.5)
BURN_EN1: length 52.8
  Top w0.203: 48.21,49.69 48.21,51.69 v1(48.23,51.71) ; v1(24.73,88.09) J10.3
  Route2 w0.203: v1(24.73,88.09) 26.93,85.88 32.28,85.88 39.12,79.04 39.12,75.54 40.89,73.76 40.89,59.94 48.23,52.6 v1(48.23,51.71)
BURN_EN2: length 53.2
  Top w0.203: v1(23.72,88.09) 23.73,88.09 J10.4 ; v1(47.65,51.13) 47.71,51.07 U2.39
  Route2 w0.203: v1(47.65,51.13) 47.65,52.4 40.34,59.72 40.34,73.53 38.58,75.29 38.58,78.82 32.08,85.32 26.49,85.32 v1(23.72,88.09)
BURN_EN3: length 53.3
  Top w0.203: U2.41 46.71,51.13 v1(46.71,51.13) ; v1(22.73,88.09) J10.5
  Route2 w0.203: v1(46.71,51.13) 46.71,52.55 39.78,59.49 39.78,73.33 38.07,75.03 38.07,78.61 31.93,84.76 26.05,84.76 v1(22.73,88.09)
BURN_EN4: length 53.7
  Top w0.203: v1(21.73,88.1) J10.6 ; U2.42 46.15,49.74 v1(46.15,51.71)
  Route2 w0.203: v1(21.73,88.1) 25.59,84.23 31.7,84.23 37.62,78.31 37.62,74.78 39.27,73.13 39.27,59.26 46.15,52.37 v1(46.15,51.71)
BURN_RELAY_A: length 52.5
  Top w0.203: J10.2 25.73,88.09 v1(25.73,88.09) ; U2.37 48.79,49.76 v1(48.79,51.13)
  Route2 w0.203: v1(48.79,51.13) 48.79,51.13 48.79,52.86 41.48,60.17 41.48,73.99 39.65,75.82 39.65,79.27 32.51,86.41 27.41,86.41 v1(25.73,88.09)
CSTAT: length 43.8
  Top w0.203: J12.8 6.25,45.44 v1(7.42,45.44) ; v1(42.5,41.38) 42.44,41.38 42.05,41.77 U2.61
  Route2 w0.203: v1(7.42,45.44) 11.91,45.44 13.06,44.3 13.06,40.34 14.35,39.04 23.62,39.04 26.24,41.66 41.22,41.66 41.5,41.38 v1(42.5,41.38)
DAC0: length 13.8
  Top w0.305: U2.3 44.21,39.43 v1(43.71,39.93)
  Route2 w0.305: J20.4 34.77,39.62 37.64,39.62 38.4,40.39 40.56,40.39 41.02,39.93 v1(43.71,39.93)
DBus1+: length 6.3
  Top w0.128: J1.A6 45.34,88.98 45.14,89.18 44.55,89.18 44.34,88.96 J1.B6 44.34,84.83
DBus1-: length 6.2
  Top w0.128: 45.84,84.83 J1.B7 45.84,86.98 45.62,86.77 45.03,86.77 44.84,86.97 J1.A7
DBus2+: length 6
  Top w0.128: 45.84,11.03 J7.B6 45.84,7.05 45.64,6.86 45.03,6.86 44.84,7.06 J7.A6
DBus2-: length 6
  Top w0.128: J7.A7 45.34,8.84 45.16,9.02 44.53,9.02 44.34,8.83 J7.B7 44.34,11.03
FLASH_CS: length 9.1
  Top w0.203: R6.1 60.21,44.18 59.8,43.77 U2.24
FLASH_IO2: length 6
  Top w0.203: U2.19 58.68,41.27
FLASH_IO3: length 15.2
  Top w0.203: v1(54.23,41.91) 54.09,41.77 U2.20 ; v1(65.51,42.52) 64.53,42.52
  Route2 w0.203: v1(54.23,41.91) 58.75,41.91 60.05,40.61 63.6,40.61 v1(65.51,42.52)
FLASH_MISO: length 10.1
  Top w0.203: U5.2 59.63,42.5 59.84,42.29 59.84,40.84 59.59,40.59 57,40.59 56.82,40.77 U2.18
FLASH_MOSI: length 12.6
  Top w0.203: U2.17 56.61,40.27 57.68,39.19 61.09,39.19 61.86,39.96 U5.5
FLASH_SCK: length 13.6
  Top w0.203: U2.23 62.88,43.27 63.17,42.98 63.17,41.53 63.47,41.23 U5.6
FUEL_ALRT: length 43.7
  Top w0.203: v1(42.42,42.19) 42.34,42.27 U2.60 ; v1(7.42,46.43) 7.41,46.44 J12.7
  Route2 w0.203: v1(7.42,46.43) 12.04,46.43 13.67,44.81 13.67,40.54 14.61,39.6 23.32,39.6 25.91,42.19 v1(42.42,42.19)
GPS_EN: length 46
  Top w0.203: v1(38.96,39.78) 38.96,40.69 39.54,41.27 U2.62
  Route2 w0.203: v1(22.25,27.28) 33.35,27.28 34.39,28.32 34.39,34.47 38.96,39.04 v1(38.96,39.78)
  Bottom w0.203: R17.1 R12.1 19.14,20.59 22.25,23.7 v1(22.25,27.28)
GPS_RX: length 23.2
  Top w0.203: v1(39.73,38.89) 40.08,38.89 40.28,39.09 40.28,40 40.55,40.27 U2.64
  Route2 w0.203: v1(31.69,23.04) 34.04,23.04 35.03,24.03 35.03,34.19 v1(39.73,38.89)
